# KiCad board SparkFun_IoT_RedBoard-RP2350_panelized.kicad_pcb (continued)
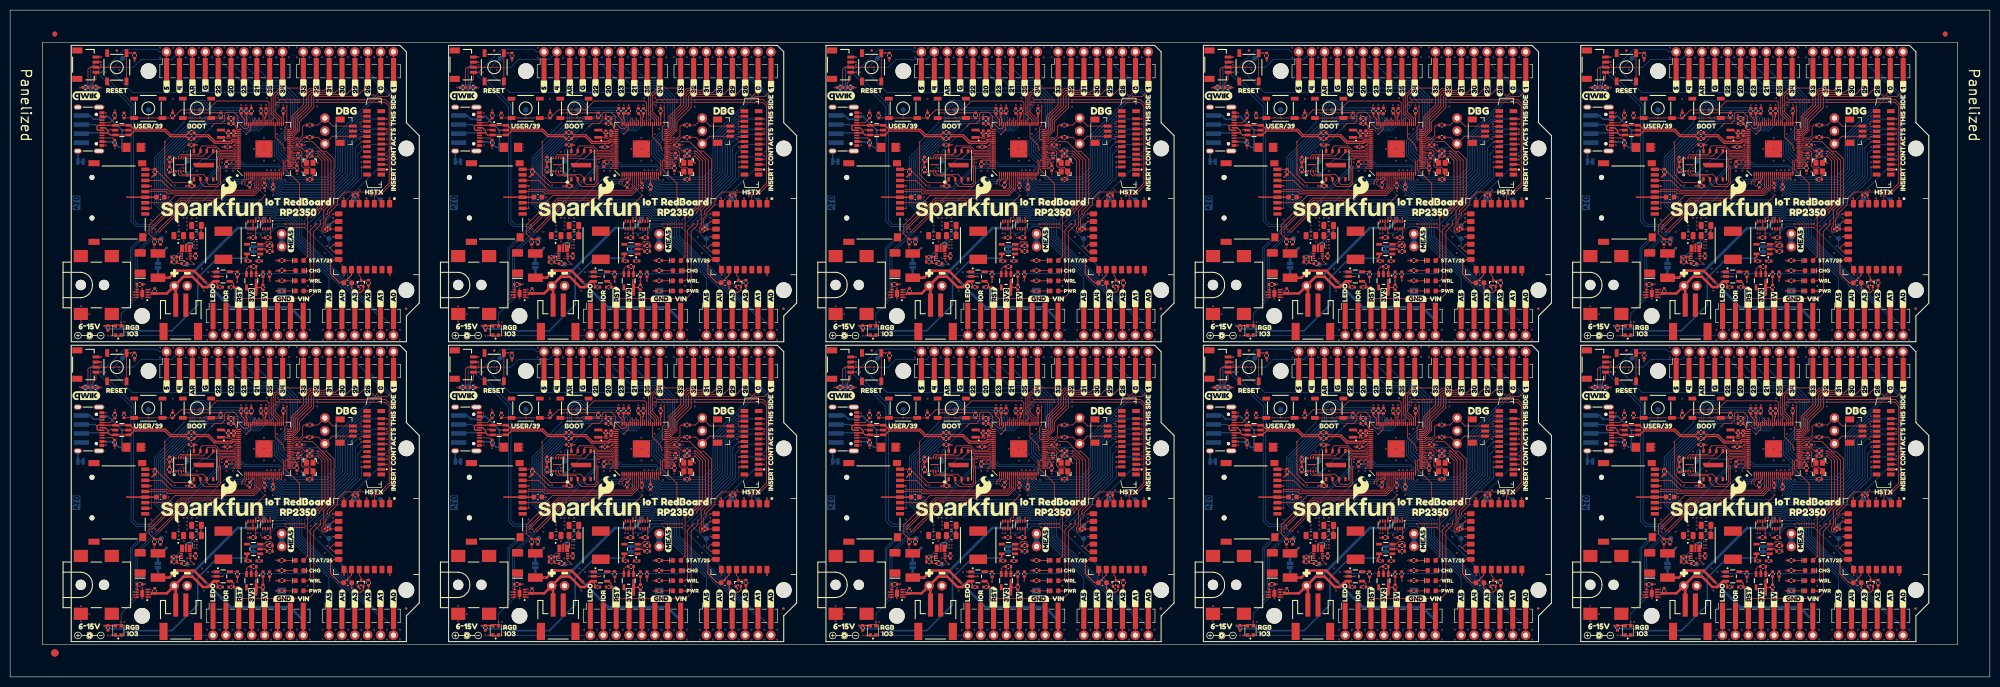
[diagram p0: board, top side]
## Routing (per net, layer and track width the routed paths; a pad name or vN(x,y) marks a point on that pad's centre or on a via; arc(x,y) is an arc through that point) (continued)
  Bottom w0.15: v1(366.66,43.36) 370.76,43.36 372.36,44.96 372.36,55.26 365.35,62.27 H1#3.D3 ; v1(143.58,102.48) 147.68,102.48 149.28,104.08 149.28,114.38 142.27,121.39 H1#6.D3 ; v1(69.22,102.48) 73.32,102.48 74.92,104.08 74.92,114.38 67.91,121.39 H1#5.D3 ; v1(69.22,43.36) 73.32,43.36 74.92,44.96 74.92,55.26 67.91,62.27 H1#10.D3 ; H1#2.D3 290.99,62.27 298,55.26 298,44.96 296.4,43.36 v1(292.3,43.36) ; v1(366.66,102.48) 370.76,102.48 372.36,104.08 372.36,114.38 365.35,121.39 H1#9.D3 ; v1(143.58,43.36) 147.68,43.36 149.28,44.96 149.28,55.26 142.27,62.27 H1#4.D3 ; H1#8.D3 290.99,121.39 298,114.38 298,104.08 296.4,102.48 v1(292.3,102.48) ; H1.D3 216.63,62.27 223.64,55.26 223.64,44.96 222.04,43.36 v1(217.94,43.36) ; v1(217.94,102.48) 222.04,102.48 223.64,104.08 223.64,114.38 216.63,121.39 H1#7.D3
/IO30: length 235.4
  Top w0.15: U1#7.38 204.24,47.96 204.99,48.71 204.99,50.91 207.54,53.46 207.54,55.46 208.19,56.11 212.79,56.11 214.12,57.44 J9#2.4 214.12,64.07 H1.D4 ; H1#6.D4 139.76,123.19 J9#7.4 139.76,116.56 138.43,115.23 133.83,115.23 133.18,114.58 133.18,112.58 130.63,110.03 130.63,107.83 129.88,107.08 U1#5.38 ; H1#2.D4 288.48,64.07 J9#3.4 288.48,57.44 287.15,56.11 282.55,56.11 281.9,55.46 281.9,53.46 279.35,50.91 279.35,48.71 278.6,47.96 U1#8.38 ; U1#6.38 55.52,107.08 56.27,107.83 56.27,110.03 58.82,112.58 58.82,114.58 59.47,115.23 64.07,115.23 65.4,116.56 J9#4.4 65.4,123.19 H1#5.D4 ; U1#2.38 278.6,107.08 279.35,107.83 279.35,110.03 281.9,112.58 281.9,114.58 282.55,115.23 287.15,115.23 288.48,116.56 J9#5.4 288.48,123.19 H1#8.D4 ; U1.38 55.52,47.96 56.27,48.71 56.27,50.91 58.82,53.46 58.82,55.46 59.47,56.11 64.07,56.11 65.4,57.44 J9.4 65.4,64.07 H1#10.D4 ; U1#10.38 352.96,47.96 353.71,48.71 353.71,50.91 356.26,53.46 356.26,55.46 356.91,56.11 361.51,56.11 362.84,57.44 J9#9.4 362.84,64.07 H1#3.D4 ; H1#9.D4 362.84,123.19 J9#10.4 362.84,116.56 361.51,115.23 356.91,115.23 356.26,114.58 356.26,112.58 353.71,110.03 353.71,107.83 352.96,107.08 U1#9.38 ; U1#3.38 204.24,107.08 204.99,107.83 204.99,110.03 207.54,112.58 207.54,114.58 208.19,115.23 212.79,115.23 214.12,116.56 J9#8.4 214.12,123.19 H1#7.D4 ; U1#4.38 129.88,47.96 130.63,48.71 130.63,50.91 133.18,53.46 133.18,55.46 133.83,56.11 138.43,56.11 139.76,57.44 J9#6.4 139.76,64.07 H1#4.D4
/IO31: length 209.4
  Top w0.15: U1#5.39 129.83,107.48 130.23,107.88 130.23,110.28 132.68,112.73 132.68,114.73 133.58,115.63 136.28,115.63 137.22,116.57 J9#7.3 137.22,123.19 H1#6.D5 ; H1#7.D5 211.58,123.19 J9#8.3 211.58,116.57 210.64,115.63 207.94,115.63 207.04,114.73 207.04,112.73 204.59,110.28 204.59,107.88 204.19,107.48 U1#3.39 ; H1#9.D5 360.3,123.19 J9#10.3 360.3,116.57 359.36,115.63 356.66,115.63 355.76,114.73 355.76,112.73 353.31,110.28 353.31,107.88 352.91,107.48 U1#9.39 ; H1#8.D5 285.94,123.19 J9#5.3 285.94,116.57 285,115.63 282.3,115.63 281.4,114.73 281.4,112.73 278.95,110.28 278.95,107.88 278.55,107.48 U1#2.39 ; U1.39 55.47,48.36 55.87,48.76 55.87,51.16 58.32,53.61 58.32,55.61 59.22,56.51 61.92,56.51 62.86,57.45 J9.3 62.86,64.07 H1#10.D5 ; U1#4.39 129.83,48.36 130.23,48.76 130.23,51.16 132.68,53.61 132.68,55.61 133.58,56.51 136.28,56.51 137.22,57.45 J9#6.3 137.22,64.07 H1#4.D5 ; H1#2.D5 285.94,64.07 J9#3.3 285.94,57.45 285,56.51 282.3,56.51 281.4,55.61 281.4,53.61 278.95,51.16 278.95,48.76 278.55,48.36 U1#8.39 ; U1#7.39 204.19,48.36 204.59,48.76 204.59,51.16 207.04,53.61 207.04,55.61 207.94,56.51 210.64,56.51 211.58,57.45 J9#2.3 211.58,64.07 H1.D5 ; U1#10.39 352.91,48.36 353.31,48.76 353.31,51.16 355.76,53.61 355.76,55.61 356.66,56.51 359.36,56.51 360.3,57.45 J9#9.3 360.3,64.07 H1#3.D5 ; U1#6.39 55.47,107.48 55.87,107.88 55.87,110.28 58.32,112.73 58.32,114.73 59.22,115.63 61.92,115.63 62.86,116.57 J9#4.3 62.86,123.19 H1#5.D5
/IO32: length 182
  Top w0.15: H1#6.D6 134.68,123.19 J9#7.2 134.68,116.58 134.13,116.03 133.38,116.03 132.13,114.78 132.13,112.78 129.83,110.48 129.83,108.13 129.58,107.88 U1#5.40 ; H1#4.D6 134.68,64.07 J9#6.2 134.68,57.46 134.13,56.91 133.38,56.91 132.13,55.66 132.13,53.66 129.83,51.36 129.83,49.01 129.58,48.76 U1#4.40 ; H1#5.D6 60.32,123.19 J9#4.2 60.32,116.58 59.77,116.03 59.02,116.03 57.77,114.78 57.77,112.78 55.47,110.48 55.47,108.13 55.22,107.88 U1#6.40 ; U1#2.40 278.3,107.88 278.55,108.13 278.55,110.48 280.85,112.78 280.85,114.78 282.1,116.03 282.85,116.03 283.4,116.58 J9#5.2 283.4,123.19 H1#8.D6 ; U1.40 55.22,48.76 55.47,49.01 55.47,51.36 57.77,53.66 57.77,55.66 59.02,56.91 59.77,56.91 60.32,57.46 J9.2 60.32,64.07 H1#10.D6 ; H1#3.D6 357.76,64.07 J9#9.2 357.76,57.46 357.21,56.91 356.46,56.91 355.21,55.66 355.21,53.66 352.91,51.36 352.91,49.01 352.66,48.76 U1#10.40 ; U1#7.40 203.94,48.76 204.19,49.01 204.19,51.36 206.49,53.66 206.49,55.66 207.74,56.91 208.49,56.91 209.04,57.46 J9#2.2 209.04,64.07 H1.D6 ; U1#9.40 352.66,107.88 352.91,108.13 352.91,110.48 355.21,112.78 355.21,114.78 356.46,116.03 357.21,116.03 357.76,116.58 J9#10.2 357.76,123.19 H1#9.D6 ; U1#8.40 278.3,48.76 278.55,49.01 278.55,51.36 280.85,53.66 280.85,55.66 282.1,56.91 282.85,56.91 283.4,57.46 J9#3.2 283.4,64.07 H1#2.D6 ; U1#3.40 203.94,107.88 204.19,108.13 204.19,110.48 206.49,112.78 206.49,114.78 207.74,116.03 208.49,116.03 209.04,116.58 J9#8.2 209.04,123.19 H1#7.D6
/IO33: length 191
  Top w0.15: H1#4.D7 132.14,64.07 J9#6.1 132.14,57.47 131.63,56.96 128.13,56.96 126.58,55.41 126.58,52.26 127.78,51.06 U1#4.42 ; U1#10.42 350.86,51.06 349.66,52.26 349.66,55.41 351.21,56.96 354.71,56.96 355.22,57.47 J9#9.1 355.22,64.07 H1#3.D7 ; H1#9.D7 355.22,123.19 J9#10.1 355.22,116.59 354.71,116.08 351.21,116.08 349.66,114.53 349.66,111.38 350.86,110.18 U1#9.42 ; H1#7.D7 206.5,123.19 J9#8.1 206.5,116.59 205.99,116.08 202.49,116.08 200.94,114.53 200.94,111.38 202.14,110.18 U1#3.42 ; H1#5.D7 57.78,123.19 J9#4.1 57.78,116.59 57.27,116.08 53.77,116.08 52.22,114.53 52.22,111.38 53.42,110.18 U1#6.42 ; H1.D7 206.5,64.07 J9#2.1 206.5,57.47 205.99,56.96 202.49,56.96 200.94,55.41 200.94,52.26 202.14,51.06 U1#7.42 ; H1#6.D7 132.14,123.19 J9#7.1 132.14,116.59 131.63,116.08 128.13,116.08 126.58,114.53 126.58,111.38 127.78,110.18 U1#5.42 ; H1#10.D7 57.78,64.07 J9.1 57.78,57.47 57.27,56.96 53.77,56.96 52.22,55.41 52.22,52.26 53.42,51.06 U1.42 ; H1#2.D7 280.86,64.07 J9#3.1 280.86,57.47 280.35,56.96 276.85,56.96 275.3,55.41 275.3,52.26 276.5,51.06 U1#8.42 ; H1#8.D7 280.86,123.19 J9#5.1 280.86,116.59 280.35,116.08 276.85,116.08 275.3,114.53 275.3,111.38 276.5,110.18 U1#2.42
/IO34: length 155.1
  Top w0.15: H1#3.D8 J8#8.10 351.13,57.48 349.26,55.61 349.26,52.06 350.46,50.86 U1#10.43 ; H1#9.D8 J8#9.10 351.13,116.6 349.26,114.73 349.26,111.18 350.46,109.98 U1#9.43 ; U1#4.43 127.38,50.86 126.18,52.06 126.18,55.61 128.05,57.48 J8#4.10 H1#4.D8 ; H1#5.D8 J8#3.10 53.69,116.6 51.82,114.73 51.82,111.18 53.02,109.98 U1#6.43 ; U1.43 53.02,50.86 51.82,52.06 51.82,55.61 53.69,57.48 J8.10 H1#10.D8 ; H1#2.D8 J8#6.10 276.77,57.48 274.9,55.61 274.9,52.06 276.1,50.86 U1#8.43 ; U1#2.43 276.1,109.98 274.9,111.18 274.9,114.73 276.77,116.6 J8#10.10 H1#8.D8 ; H1.D8 J8#7.10 202.41,57.48 200.54,55.61 200.54,52.06 201.74,50.86 U1#7.43 ; H1#6.D8 J8#2.10 128.05,116.6 126.18,114.73 126.18,111.18 127.38,109.98 U1#5.43 ; H1#7.D8 J8#5.10 202.41,116.6 200.54,114.73 200.54,111.18 201.74,109.98 U1#3.43
/IO35: length 150.3
  Top w0.15: U1#9.44 350.06,109.78 348.86,110.98 348.86,114.73 348.59,115 J8#9.9 H1#9.D9 ; U1.44 52.62,50.66 51.42,51.86 51.42,55.61 51.15,55.88 J8.9 H1#10.D9 ; U1#3.44 201.34,109.78 200.14,110.98 200.14,114.73 199.87,115 J8#5.9 H1#7.D9 ; H1#2.D9 J8#6.9 274.23,55.88 274.5,55.61 274.5,51.86 275.7,50.66 U1#8.44 ; U1#4.44 126.98,50.66 125.78,51.86 125.78,55.61 125.51,55.88 J8#4.9 H1#4.D9 ; H1#3.D9 J8#8.9 348.59,55.88 348.86,55.61 348.86,51.86 350.06,50.66 U1#10.44 ; U1#5.44 126.98,109.78 125.78,110.98 125.78,114.73 125.51,115 J8#2.9 H1#6.D9 ; U1#6.44 52.62,109.78 51.42,110.98 51.42,114.73 51.15,115 J8#3.9 H1#5.D9 ; U1#7.44 201.34,50.66 200.14,51.86 200.14,55.61 199.87,55.88 J8#7.9 H1.D9 ; H1#8.D9 J8#10.9 274.23,115 274.5,114.73 274.5,110.98 275.7,109.78 U1#2.44
  Bottom w0.15: 199.74,123.09 H1#7.D9 ; 51.02,63.97 H1#10.D9 ; 274.1,63.97 H1#2.D9 ; 199.74,63.97 H1.D9 ; 125.38,123.09 H1#6.D9 ; 274.1,123.09 H1#8.D9 ; 348.46,123.09 H1#9.D9 ; 51.02,123.09 H1#5.D9 ; 125.38,63.97 H1#4.D9 ; 348.46,63.97 H1#3.D9
/RGB_DOUT: length 249.7
  Top w0.15: D4#8.1 243.76,8.16 v1(242.9,8.16) ; J1#3.1 H1#5.NC/LEDO ; J1#10.1 H1#10.NC/LEDO ; v1(19.82,8.16) 20.69,8.16 D4#3.1 ; v1(168.54,8.16) 169.4,8.16 D4#6.1 ; v1(94.18,8.16) 95.05,8.16 D4.1 ; J1#2.1 H1#2.NC/LEDO ; v1(168.54,67.28) 169.4,67.28 D4#4.1 ; D4#5.1 243.76,67.28 v1(242.9,67.28) ; D4#7.1 95.05,67.28 v1(94.18,67.28) ; J1#4.1 H1#7.NC/LEDO ; D4#2.1 20.69,67.28 v1(19.82,67.28) ; J1#7.1 H1#4.NC/LEDO ; J1#6.1 H1.NC/LEDO ; v1(317.26,67.28) 318.12,67.28 D4#10.1 ; v1(317.26,8.16) 318.12,8.16 D4#9.1 ; J1.1 H1#9.NC/LEDO ; J1#9.1 H1#3.NC/LEDO ; J1#5.1 H1#6.NC/LEDO ; J1#8.1 H1#8.NC/LEDO
  Bottom w0.15: H1#10.NC/LEDO 39.91,8.16 v1(19.82,8.16) ; H1#8.NC/LEDO 262.99,67.28 v1(242.9,67.28) ; H1#6.NC/LEDO 114.27,67.28 v1(94.18,67.28) ; v1(317.26,67.28) 337.35,67.28 H1#9.NC/LEDO ; H1.NC/LEDO 188.63,8.16 v1(168.54,8.16) ; H1#5.NC/LEDO 39.91,67.28 v1(19.82,67.28) ; H1#3.NC/LEDO 337.35,8.16 v1(317.26,8.16) ; v1(94.18,8.16) 114.27,8.16 H1#4.NC/LEDO ; H1#2.NC/LEDO 262.99,8.16 v1(242.9,8.16) ; H1#7.NC/LEDO 188.63,67.28 v1(168.54,67.28)
/USBC+: length 249
  Top w0.24: v1(19.33,107.24) J4#4.B6 ; v1(19.33,107.24) 19.74,106.83 D2#5.4 23.65,106.83 24.41,107.59 30.44,107.59 31.54,106.49 34.74,106.49 35.16,106.08 R3#2.1 ; v1(19.33,107.24) 19.33,107.65 18.74,108.24 J4#4.A6 ; v1(19.33,48.12) 19.74,47.71 D2.4 23.65,47.71 24.41,48.47 30.44,48.47 31.54,47.37 34.74,47.37 35.16,46.96 R3.1 ; v1(19.33,48.12) J4.B6 ; v1(19.33,48.12) 19.33,48.53 18.74,49.12 J4.A6 ; v1(93.69,107.24) 93.69,107.65 93.1,108.24 J4#6.A6 ; v1(93.69,107.24) J4#6.B6 ; v1(93.69,107.24) 94.1,106.83 D2#3.4 98.01,106.83 98.77,107.59 104.8,107.59 105.9,106.49 109.11,106.49 109.52,106.08 R3#5.1 ; R3#3.1 332.6,46.96 332.19,47.37 328.98,47.37 327.88,48.47 321.85,48.47 321.09,47.71 D2#6.4 317.18,47.71 v1(316.77,48.12) ; v1(242.41,107.24) 242.41,107.65 241.82,108.24 J4#9.A6 ; v1(242.41,107.24) J4#9.B6 ; v1(242.41,107.24) 242.82,106.83 D2#9.4 246.73,106.83 247.49,107.59 253.52,107.59 254.62,106.49 257.82,106.49 258.24,106.08 R3#8.1 ; J4#8.A6 167.46,49.12 168.05,48.53 v1(168.05,48.12) ; v1(168.05,107.24) J4#5.B6 ; v1(168.05,107.24) 168.05,107.65 167.46,108.24 J4#5.A6 ; v1(168.05,107.24) 168.46,106.83 D2#4.4 172.37,106.83 173.13,107.59 179.16,107.59 180.26,106.49 183.46,106.49 183.88,106.08 R3#4.1 ; J4#10.A6 316.18,49.12 316.77,48.53 v1(316.77,48.12) ; v1(316.77,107.24) 316.77,107.65 316.18,108.24 J4#7.A6 ; v1(316.77,107.24) J4#7.B6 ; v1(316.77,107.24) 317.18,106.83 D2#10.4 321.09,106.83 321.85,107.59 327.88,107.59 328.98,106.49 332.19,106.49 332.6,106.08 R3#10.1 ; v1(316.77,48.12) J4#10.B6 ; v1(93.69,48.12) 93.69,48.53 93.1,49.12 J4#2.A6 ; v1(93.69,48.12) J4#2.B6 ; v1(93.69,48.12) 94.1,47.71 D2#2.4 98.01,47.71 98.77,48.47 104.8,48.47 105.9,47.37 109.11,47.37 109.52,46.96 R3#9.1 ; v1(242.41,48.12) 242.41,48.53 241.82,49.12 J4#3.A6 ; v1(242.41,48.12) 242.82,47.71 D2#8.4 246.73,47.71 247.49,48.47 253.52,48.47 254.62,47.37 257.82,47.37 258.24,46.96 R3#6.1 ; v1(242.41,48.12) J4#3.B6 ; v1(168.05,48.12) 168.46,47.71 D2#7.4 172.37,47.71 173.13,48.47 179.16,48.47 180.26,47.37 183.46,47.37 183.88,46.96 R3#7.1 ; v1(168.05,48.12) J4#8.B6
  Bottom w0.24: 237.7,47.98 237.83,48.11 242.4,48.11 v1(242.41,48.12) ; v1(316.77,48.12) 316.76,48.11 312.19,48.11 312.06,47.98 ; v1(168.05,48.12) 168.04,48.11 163.47,48.11 163.34,47.98 ; v1(242.41,107.24) 242.4,107.23 237.83,107.23 237.7,107.1 ; v1(19.33,107.24) 19.32,107.23 14.75,107.23 14.62,107.1 ; v1(19.33,48.12) 19.32,48.11 14.75,48.11 14.62,47.98 ; 312.06,107.1 312.19,107.23 316.76,107.23 v1(316.77,107.24) ; 88.98,47.98 89.11,48.11 93.68,48.11 v1(93.69,48.12) ; 163.34,107.1 163.47,107.23 168.04,107.23 v1(168.05,107.24) ; v1(93.69,107.24) 93.68,107.23 89.11,107.23 88.98,107.1
/USBC-: length 234
  Top w0.24: J4#4.A7 17.34,107.74 17.12,107.95 v1(17.12,108.53) 17.33,108.74 J4#4.B7 23.31,108.74 D2#5.6 23.65,108.73 24.41,107.96 30.6,107.96 31.7,106.86 34.74,106.86 35.16,107.28 R4#4.1 ; R4#10.1 332.6,48.16 332.19,47.74 329.14,47.74 328.04,48.84 321.85,48.84 321.09,49.61 D2#6.6 320.75,49.62 J4#10.B7 314.77,49.62 v1(314.56,49.41) 314.56,48.83 314.77,48.62 J4#10.A7 ; J4#2.A7 91.7,48.62 91.48,48.83 v1(91.48,49.41) 91.69,49.62 J4#2.B7 97.67,49.62 D2#2.6 98.01,49.61 98.77,48.84 104.96,48.84 106.06,47.74 109.11,47.74 109.52,48.16 R4#5.1 ; R4#6.1 183.88,48.16 183.46,47.74 180.42,47.74 179.32,48.84 173.13,48.84 172.37,49.61 D2#7.6 172.03,49.62 J4#8.B7 166.05,49.62 v1(165.84,49.41) 165.84,48.83 166.06,48.62 J4#8.A7 ; J4#3.A7 240.41,48.62 240.2,48.83 v1(240.2,49.41) 240.41,49.62 J4#3.B7 246.39,49.62 D2#8.6 246.73,49.61 247.49,48.84 253.68,48.84 254.78,47.74 257.82,47.74 258.24,48.16 R4#3.1 ; J4#9.A7 240.41,107.74 240.2,107.95 v1(240.2,108.53) 240.41,108.74 J4#9.B7 246.39,108.74 D2#9.6 246.73,108.73 247.49,107.96 253.68,107.96 254.78,106.86 257.82,106.86 258.24,107.28 R4#8.1 ; J4#5.A7 166.06,107.74 165.84,107.95 v1(165.84,108.53) 166.05,108.74 J4#5.B7 172.03,108.74 D2#4.6 172.37,108.73 173.13,107.96 179.32,107.96 180.42,106.86 183.46,106.86 183.88,107.28 R4#7.1 ; J4#6.A7 91.7,107.74 91.48,107.95 v1(91.48,108.53) 91.69,108.74 J4#6.B7 97.67,108.74 D2#3.6 98.01,108.73 98.77,107.96 104.96,107.96 106.06,106.86 109.11,106.86 109.52,107.28 R4#2.1 ; R4#9.1 332.6,107.28 332.19,106.86 329.14,106.86 328.04,107.96 321.85,107.96 321.09,108.73 D2#10.6 320.75,108.74 J4#7.B7 314.77,108.74 v1(314.56,108.53) 314.56,107.95 314.77,107.74 J4#7.A7 ; R4.1 35.16,48.16 34.74,47.74 31.7,47.74 30.6,48.84 24.41,48.84 23.65,49.61 D2.6 23.31,49.62 J4.B7 17.33,49.62 v1(17.12,49.41) 17.12,48.83 17.34,48.62 J4.A7
  Bottom w0.24: 312.06,49.76 314.21,49.76 v1(314.56,49.41) ; 163.34,49.76 165.49,49.76 v1(165.84,49.41) ; v1(91.48,108.53) 91.13,108.88 88.98,108.88 ; 237.7,108.88 239.85,108.88 v1(240.2,108.53) ; v1(91.48,49.41) 91.13,49.76 88.98,49.76 ; 14.62,49.76 16.77,49.76 v1(17.12,49.41) ; 14.62,108.88 16.77,108.88 v1(17.12,108.53) ; v1(314.56,108.53) 314.21,108.88 312.06,108.88 ; 237.7,49.76 239.85,49.76 v1(240.2,49.41) ; 163.34,108.88 165.49,108.88 v1(165.84,108.53)
VRAW: length 38
  Bottom w0.5: JP2#10.2 326.56,23.76 v1(328.26,25.46) ; v1(253.9,84.58) 252.2,82.88 JP2#9.2 ; JP2#3.2 29.12,82.88 v1(30.82,84.58) ; JP2#6.2 103.48,82.88 v1(105.18,84.58) ; v1(179.54,25.46) 177.84,23.76 JP2#5.2 ; JP2#7.2 177.84,82.88 v1(179.54,84.58) ; v1(30.82,25.46) 29.12,23.76 JP2.2 ; JP2#2.2 103.48,23.76 v1(105.18,25.46) ; v1(328.26,84.58) 326.56,82.88 JP2#4.2 ; JP2#8.2 252.2,23.76 v1(253.9,25.46)
VUSB: length 287.2
  In1.Cu w0.3: v1(26.62,104.98) v1(26.62,104.38) v1(26.62,103.78) 39.87,90.53 43.27,90.53 46.37,87.43 v1(46.82,87.43) v1(47.37,87.43) ; v1(26.62,45.86) v1(26.62,45.26) v1(26.62,44.66) 39.87,31.41 43.27,31.41 46.37,28.31 v1(46.82,28.31) v1(47.37,28.31) ; v1(249.7,45.86) v1(249.7,45.26) v1(249.7,44.66) 262.95,31.41 266.35,31.41 269.45,28.31 v1(269.9,28.31) v1(270.45,28.31) ; v1(100.98,45.86) v1(100.98,45.26) v1(100.98,44.66) 114.23,31.41 117.63,31.41 120.73,28.31 v1(121.18,28.31) v1(121.73,28.31) ; v1(249.7,104.98) v1(249.7,104.38) v1(249.7,103.78) 262.95,90.53 266.35,90.53 269.45,87.43 v1(269.9,87.43) v1(270.45,87.43) ; v1(121.73,87.43) v1(121.18,87.43) 120.73,87.43 117.63,90.53 114.23,90.53 v1(100.98,103.78) v1(100.98,104.38) v1(100.98,104.98) ; v1(196.09,87.43) v1(195.54,87.43) 195.09,87.43 191.99,90.53 188.59,90.53 v1(175.34,103.78) v1(175.34,104.38) v1(175.34,104.98) ; v1(324.06,104.98) v1(324.06,104.38) v1(324.06,103.78) 337.31,90.53 340.71,90.53 343.81,87.43 v1(344.26,87.43) v1(344.81,87.43) ; v1(175.34,45.86) v1(175.34,45.26) v1(175.34,44.66) 188.59,31.41 191.99,31.41 195.09,28.31 v1(195.54,28.31) v1(196.09,28.31) ; v1(324.06,45.86) v1(324.06,45.26) v1(324.06,44.66) 337.31,31.41 340.71,31.41 343.81,28.31 v1(344.26,28.31) v1(344.81,28.31)
Net-(C9-Pad1): length 28.3
  Top w0.15: R10#3.1 132.9,43.57 C9.1 132.9,43.13 132.73,42.96 Y1#3.3 ; R10#4.1 355.98,102.69 C9#9.1 355.98,102.25 355.81,102.08 Y1#9.3 ; Y1#7.3 281.45,42.96 281.62,43.13 C9#5.1 281.62,43.57 R10#7.1 ; R10#2.1 132.9,102.69 C9#6.1 132.9,102.25 132.73,102.08 Y1#4.3 ; Y1#6.3 207.09,102.08 207.26,102.25 C9#7.1 207.26,102.69 R10#9.1 ; Y1#2.3 281.45,102.08 281.62,102.25 C9#3.1 281.62,102.69 R10#8.1 ; R10.1 58.54,43.57 C9#10.1 58.54,43.13 58.37,42.96 Y1.3 ; Y1#5.3 207.09,42.96 207.26,43.13 C9#2.1 207.26,43.57 R10#5.1 ; R10#6.1 58.54,102.69 C9#4.1 58.54,102.25 58.37,102.08 Y1#8.3 ; R10#10.1 355.98,43.57 C9#8.1 355.98,43.13 355.81,42.96 Y1#10.3
Net-(D2-VCC): length 202.1
  Top w0.2: v1(18.92,105.48) 18.86,105.54 ; v1(316.36,51.36) 316.32,51.32 ; v1(242,51.36) 241.96,51.32 ; v1(18.92,46.36) 18.86,46.42 ; v1(170.74,107.78) D2#4.5 ; v1(93.28,110.48) 93.24,110.44 ; v1(167.64,46.36) 167.58,46.42 ; v1(316.36,46.36) 316.3,46.42 ; v1(93.28,105.48) 93.22,105.54 ; v1(242,46.36) 241.94,46.42 ; v1(18.92,51.36) 18.88,51.32 ; v1(319.46,107.78) D2#10.5 ; v1(242,110.48) 241.96,110.44 ; v1(167.64,51.36) 167.6,51.32 ; v1(167.64,110.48) 167.6,110.44 ; v1(96.38,107.78) D2#3.5 ; v1(170.74,48.66) D2#7.5 ; v1(22.02,48.66) D2.5 ; v1(93.28,51.36) 93.24,51.32 ; v1(167.64,105.48) 167.58,105.54 ; v1(96.38,48.66) D2#2.5 ; v1(93.28,46.36) 93.22,46.42 ; v1(245.1,48.66) D2#8.5 ; v1(316.36,110.48) 316.32,110.44 ; v1(245.1,107.78) D2#9.5 ; v1(319.46,48.66) D2#6.5 ; v1(316.36,105.48) 316.3,105.54 ; v1(18.92,110.48) 18.88,110.44 ; v1(22.02,107.78) D2#5.5 ; v1(242,105.48) 241.94,105.54
  Top w0.3: 18.88,51.32 J4.VBUS ; 316.32,51.32 J4#10.VBUS ; 93.22,46.42 J4#2.VBUS ; 167.58,105.54 J4#5.VBUS ; 18.88,110.44 J4#4.VBUS ; 18.86,46.42 J4.VBUS ; 241.94,46.42 J4#3.VBUS ; 316.32,110.44 J4#7.VBUS ; 167.58,46.42 J4#8.VBUS ; 93.24,51.32 J4#2.VBUS ; 18.86,105.54 J4#4.VBUS ; 167.6,51.32 J4#8.VBUS ; 93.22,105.54 J4#6.VBUS ; 241.94,105.54 J4#9.VBUS ; 241.96,110.44 J4#9.VBUS ; 167.6,110.44 J4#5.VBUS ; 93.24,110.44 J4#6.VBUS ; 241.96,51.32 J4#3.VBUS ; 316.3,46.42 J4#10.VBUS ; 316.3,105.54 J4#7.VBUS
  Bottom w0.3: v1(170.74,45.26) 170.14,45.26 169.04,46.36 v1(167.64,46.36) ; v1(96.38,103.78) v1(96.38,104.98) v1(96.38,107.78) 93.68,110.48 v1(93.28,110.48) 92.73,109.93 90.78,109.93 90.05,110.66 88.38,110.66 ; 237.1,110.66 238.77,110.66 239.5,109.93 241.45,109.93 v1(242,110.48) 242.4,110.48 v1(245.1,107.78) v1(245.1,104.98) v1(245.1,103.78) ; v1(167.64,105.48) 169.04,105.48 170.14,104.38 v1(170.74,104.38) ; v1(22.02,45.26) 21.42,45.26 20.32,46.36 v1(18.92,46.36) ; J5#6.1 164.41,51.54 165.14,50.81 167.09,50.81 v1(167.64,51.36) 168.04,51.36 v1(170.74,48.66) v1(170.74,45.86) v1(170.74,44.66) ; v1(316.36,46.36) 317.76,46.36 318.86,45.26 v1(319.46,45.26) ; v1(93.28,46.36) 94.68,46.36 95.78,45.26 v1(96.38,45.26) ; v1(93.28,105.48) 94.68,105.48 95.78,104.38 v1(96.38,104.38) ; v1(96.38,44.66) v1(96.38,45.86) v1(96.38,48.66) 93.68,51.36 v1(93.28,51.36) 92.73,50.81 90.78,50.81 90.05,51.54 J5#4.1 ; v1(316.36,105.48) 317.76,105.48 318.86,104.38 v1(319.46,104.38) ; v1(242,46.36) 243.4,46.36 244.5,45.26 v1(245.1,45.26) ; v1(245.1,44.66) v1(245.1,45.86) v1(245.1,48.66) 242.4,51.36 v1(242,51.36) 241.45,50.81 239.5,50.81 238.77,51.54 J5#5.1 ; v1(22.02,44.66) v1(22.02,45.86) v1(22.02,48.66) 19.32,51.36 v1(18.92,51.36) 18.37,50.81 16.42,50.81 15.69,51.54 J5.1 ; v1(245.1,104.38) 244.5,104.38 243.4,105.48 v1(242,105.48) ; v1(170.74,103.78) v1(170.74,104.98) v1(170.74,107.78) 168.04,110.48 v1(167.64,110.48) 167.09,109.93 165.14,109.93 164.41,110.66 162.74,110.66 ; 14.02,110.66 15.69,110.66 16.42,109.93 18.37,109.93 v1(18.92,110.48) 19.32,110.48 v1(22.02,107.78) v1(22.02,104.98) v1(22.02,103.78) ; v1(18.92,105.48) 20.32,105.48 21.42,104.38 v1(22.02,104.38) ; v1(319.46,103.78) v1(319.46,104.98) v1(319.46,107.78) 316.76,110.48 v1(316.36,110.48) 315.81,109.93 313.86,109.93 313.13,110.66 311.46,110.66 ; v1(319.46,44.66) v1(319.46,45.86) v1(319.46,48.66) 316.76,51.36 v1(316.36,51.36) 315.81,50.81 313.86,50.81 313.13,51.54 J5#10.1
Net-(D3-A): length 22
  Top w0.15: R23#2.1 D3#10.2 ; R23.1 D3#2.2 ; R23#8.1 D3#9.2 ; R23#3.1 D3#7.2 ; R23#5.1 D3#5.2 ; R23#7.1 D3#4.2 ; R23#4.1 D3#3.2 ; R23#9.1 D3#8.2 ; R23#6.1 D3#6.2 ; R23#10.1 D3.2
Net-(D3-K): length 209.8
  Top w0.15: U9#4.1 v1(188.49,79.88) ; U9#5.1 v1(114.13,20.76) ; U9#8.1 v1(262.85,79.88) ; U9#3.1 v1(39.77,79.88) ; D3#9.1 v1(356.06,20.96) ; D3#3.1 v1(132.98,20.96) ; U9.1 v1(39.77,20.76) ; U9#2.1 v1(337.21,20.76) ; D3#10.1 v1(207.34,80.08) ; D3#5.1 v1(132.98,80.08) ; U9#6.1 v1(114.13,79.88) ; U9#9.1 v1(262.85,20.76) ; D3.1 v1(58.62,20.96) ; D3#7.1 v1(281.7,20.96) ; D3#2.1 v1(58.62,80.08) ; U9#7.1 v1(188.49,20.76) ; D3#8.1 v1(281.7,80.08) ; U9#10.1 v1(337.21,79.88) ; D3#4.1 v1(356.06,80.08) ; D3#6.1 v1(207.34,20.96)
  Bottom w0.15: v1(132.98,20.96) 132.38,20.36 114.53,20.36 v1(114.13,20.76) ; v1(58.62,20.96) 58.02,20.36 40.17,20.36 v1(39.77,20.76) ; v1(188.49,79.88) 188.89,79.48 206.74,79.48 v1(207.34,80.08) ; v1(114.13,79.88) 114.53,79.48 132.38,79.48 v1(132.98,80.08) ; v1(262.85,20.76) 263.25,20.36 281.1,20.36 v1(281.7,20.96) ; v1(337.21,79.88) 337.61,79.48 355.46,79.48 v1(356.06,80.08) ; v1(281.7,80.08) 281.1,79.48 263.25,79.48 v1(262.85,79.88) ; v1(58.62,80.08) 58.02,79.48 40.17,79.48 v1(39.77,79.88) ; v1(188.49,20.76) 188.89,20.36 206.74,20.36 v1(207.34,20.96) ; v1(337.21,20.76) 337.61,20.36 355.46,20.36 v1(356.06,20.96)
Net-(D5-K): length 22
  Top w0.15: D5#4.1 R30#4.2 ; D5#10.1 R30.2 ; D5#7.1 R30#8.2 ; D5#2.1 R30#10.2 ; D5#9.1 R30#3.2 ; D5#5.1 R30#2.2 ; D5.1 R30#6.2 ; D5#6.1 R30#5.2 ; D5#8.1 R30#9.2 ; D5#3.1 R30#7.2
Net-(D6-K): length 22
  Top w0.15: D6#4.1 R31#3.2 ; D6#10.1 R31#8.2 ; D6#6.1 R31#7.2 ; D6.1 R31#10.2 ; D6#5.1 R31.2 ; D6#3.1 R31#2.2 ; D6#2.1 R31#4.2 ; D6#9.1 R31#9.2 ; D6#7.1 R31#6.2 ; D6#8.1 R31#5.2
Net-(D7-K): length 22
  Top w0.15: R32#9.2 D7#2.1 ; R32#10.2 D7#6.1 ; R32#7.2 D7#9.1 ; R32#2.2 D7#5.1 ; R32#3.2 D7#3.1 ; R32#6.2 D7#4.1 ; R32#5.2 D7#8.1 ; R32.2 D7.1 ; R32#4.2 D7#7.1 ; R32#8.2 D7#10.1
Net-(J4-CC1): length 29.2
  Top w0.15: R2#2.2 19.69,109.24 J4#4.A5 ; R2#4.2 94.05,50.12 J4#2.A5 ; J4#5.A5 168.41,109.24 R2#5.2 ; R2#7.2 168.41,50.12 J4#8.A5 ; J4.A5 19.69,50.12 R2.2 ; R2#6.2 94.05,109.24 J4#6.A5 ; R2#8.2 242.77,50.12 J4#3.A5 ; J4#10.A5 317.13,50.12 R2#3.2 ; J4#9.A5 242.77,109.24 R2#9.2 ; J4#7.A5 317.13,109.24 R2#10.2
Net-(J4-CC2): length 27.2
  Top w0.15: R1#8.2 243.25,106.24 J4#9.B5 ; R1#3.2 168.89,47.12 J4#8.B5 ; J4#6.B5 94.53,106.24 R1#4.2 ; J4#3.B5 243.25,47.12 R1#9.2 ; R1#10.2 317.61,106.24 J4#7.B5 ; R1.2 20.17,47.12 J4.B5 ; J4#2.B5 94.53,47.12 R1#5.2 ; R1#7.2 20.17,106.24 J4#4.B5 ; J4#5.B5 168.89,106.24 R1#6.2 ; R1#2.2 317.61,47.12 J4#10.B5
Net-(J4-SHIELD): length 21
  Bottom w0.152: J4#6.S 87.71,103.65 ; J4#2.S 87.71,44.53 ; J4#8.S 162.07,44.53 ; J4.S 13.35,44.53 ; J4#9.S 236.43,103.65 ; J4#5.S 162.07,103.65 ; J4#7.S 310.79,103.65 ; J4#4.S 13.35,103.65 ; J4#10.S 310.79,44.53 ; J4#3.S 236.43,44.53
  Bottom w0.3: 310.79,103.65 JP1#10.1 ; 87.71,44.53 JP1#5.1 ; 236.43,103.65 JP1#2.1 ; 236.43,44.53 JP1#3.1 ; 13.35,103.65 JP1#8.1 ; 87.71,103.65 JP1#6.1 ; 310.79,44.53 JP1#9.1 ; 162.07,103.65 JP1#4.1 ; 162.07,44.53 JP1#7.1 ; 13.35,44.53 JP1.1
Net-(JP3-A): length 17.2
  Top w0.15: R6#6.2 v1(311.16,116.18) ; R6#8.2 v1(236.8,57.06) ; R6#5.2 v1(162.44,116.18) ; R6.2 v1(13.72,57.06) ; R6#9.2 v1(88.08,57.06) ; R6#3.2 v1(236.8,116.18) ; R6#10.2 v1(88.08,116.18) ; R6#7.2 v1(162.44,57.06) ; R6#2.2 v1(13.72,116.18) ; R6#4.2 v1(311.16,57.06)
  Bottom w0.15: v1(162.44,57.06) JP3#7.1 ; v1(13.72,57.06) JP3.1 ; v1(236.8,57.06) JP3#8.1 ; v1(311.16,57.06) JP3#3.1 ; v1(236.8,116.18) JP3#9.1 ; v1(162.44,116.18) JP3#2.1 ; v1(311.16,116.18) JP3#10.1 ; v1(88.08,57.06) JP3#5.1 ; v1(13.72,116.18) JP3#6.1 ; v1(88.08,116.18) JP3#4.1
Net-(JP3-C): length 15.8
  Top w0.15: R5#7.2 v1(241,57.06) ; R5.2 v1(17.92,57.06) ; R5#10.2 v1(315.36,57.06) ; R5#8.2 v1(92.28,116.18) ; R5#5.2 v1(315.36,116.18) ; R5#3.2 v1(166.64,57.06) ; R5#2.2 v1(17.92,116.18) ; R5#6.2 v1(166.64,116.18) ; R5#9.2 v1(241,116.18) ; R5#4.2 v1(92.28,57.06)
  Bottom w0.15: v1(17.92,116.18) JP3#6.3 ; v1(92.28,116.18) JP3#4.3 ; v1(315.36,57.06) JP3#3.3 ; v1(17.92,57.06) JP3.3 ; v1(241,116.18) JP3#9.3 ; v1(92.28,57.06) JP3#5.3 ; v1(241,57.06) JP3#8.3 ; v1(315.36,116.18) JP3#10.3 ; v1(166.64,116.18) JP3#2.3 ; v1(166.64,57.06) JP3#7.3
Net-(JP5-B): length 41.6
  Top w0.15: R24#10.1 348.1,85.02 348.5,85.43 v1(348.61,85.43) ; R24.1 50.66,25.9 51.07,26.31 v1(51.17,26.31) ; R24#9.1 273.74,85.02 274.14,85.43 v1(274.25,85.43) ; R24#4.1 50.66,85.02 51.07,85.43 v1(51.17,85.43) ; R24#3.1 348.1,25.9 348.5,26.31 v1(348.61,26.31) ; R24#5.1 125.02,25.9 125.42,26.31 v1(125.53,26.31) ; R24#6.1 199.38,85.02 199.78,85.43 v1(199.89,85.43) ; v1(199.89,26.31) 199.78,26.31 199.38,25.9 R24#2.1 ; v1(274.25,26.31) 274.14,26.31 273.74,25.9 R24#8.1 ; R24#7.1 125.02,85.02 125.42,85.43 v1(125.53,85.43)
  Bottom w0.15: v1(125.53,26.31) 124.95,25.73 JP5#2.2 ; JP5.2 50.59,25.73 v1(51.17,26.31) ; v1(51.17,85.43) 50.59,84.85 JP5#3.2 ; v1(274.25,26.31) 273.67,25.73 JP5#8.2 ; v1(348.61,26.31) 348.03,25.73 JP5#9.2 ; v1(348.61,85.43) 348.03,84.85 JP5#10.2 ; JP5#5.2 199.31,84.85 v1(199.89,85.43) ; v1(199.89,26.31) 199.31,25.73 JP5#4.2 ; v1(274.25,85.43) 273.67,84.85 JP5#6.2 ; JP5#7.2 124.95,84.85 v1(125.53,85.43)
